# Altium PCB PowerAMP.PcbDoc (part 1 of 4) (continued)
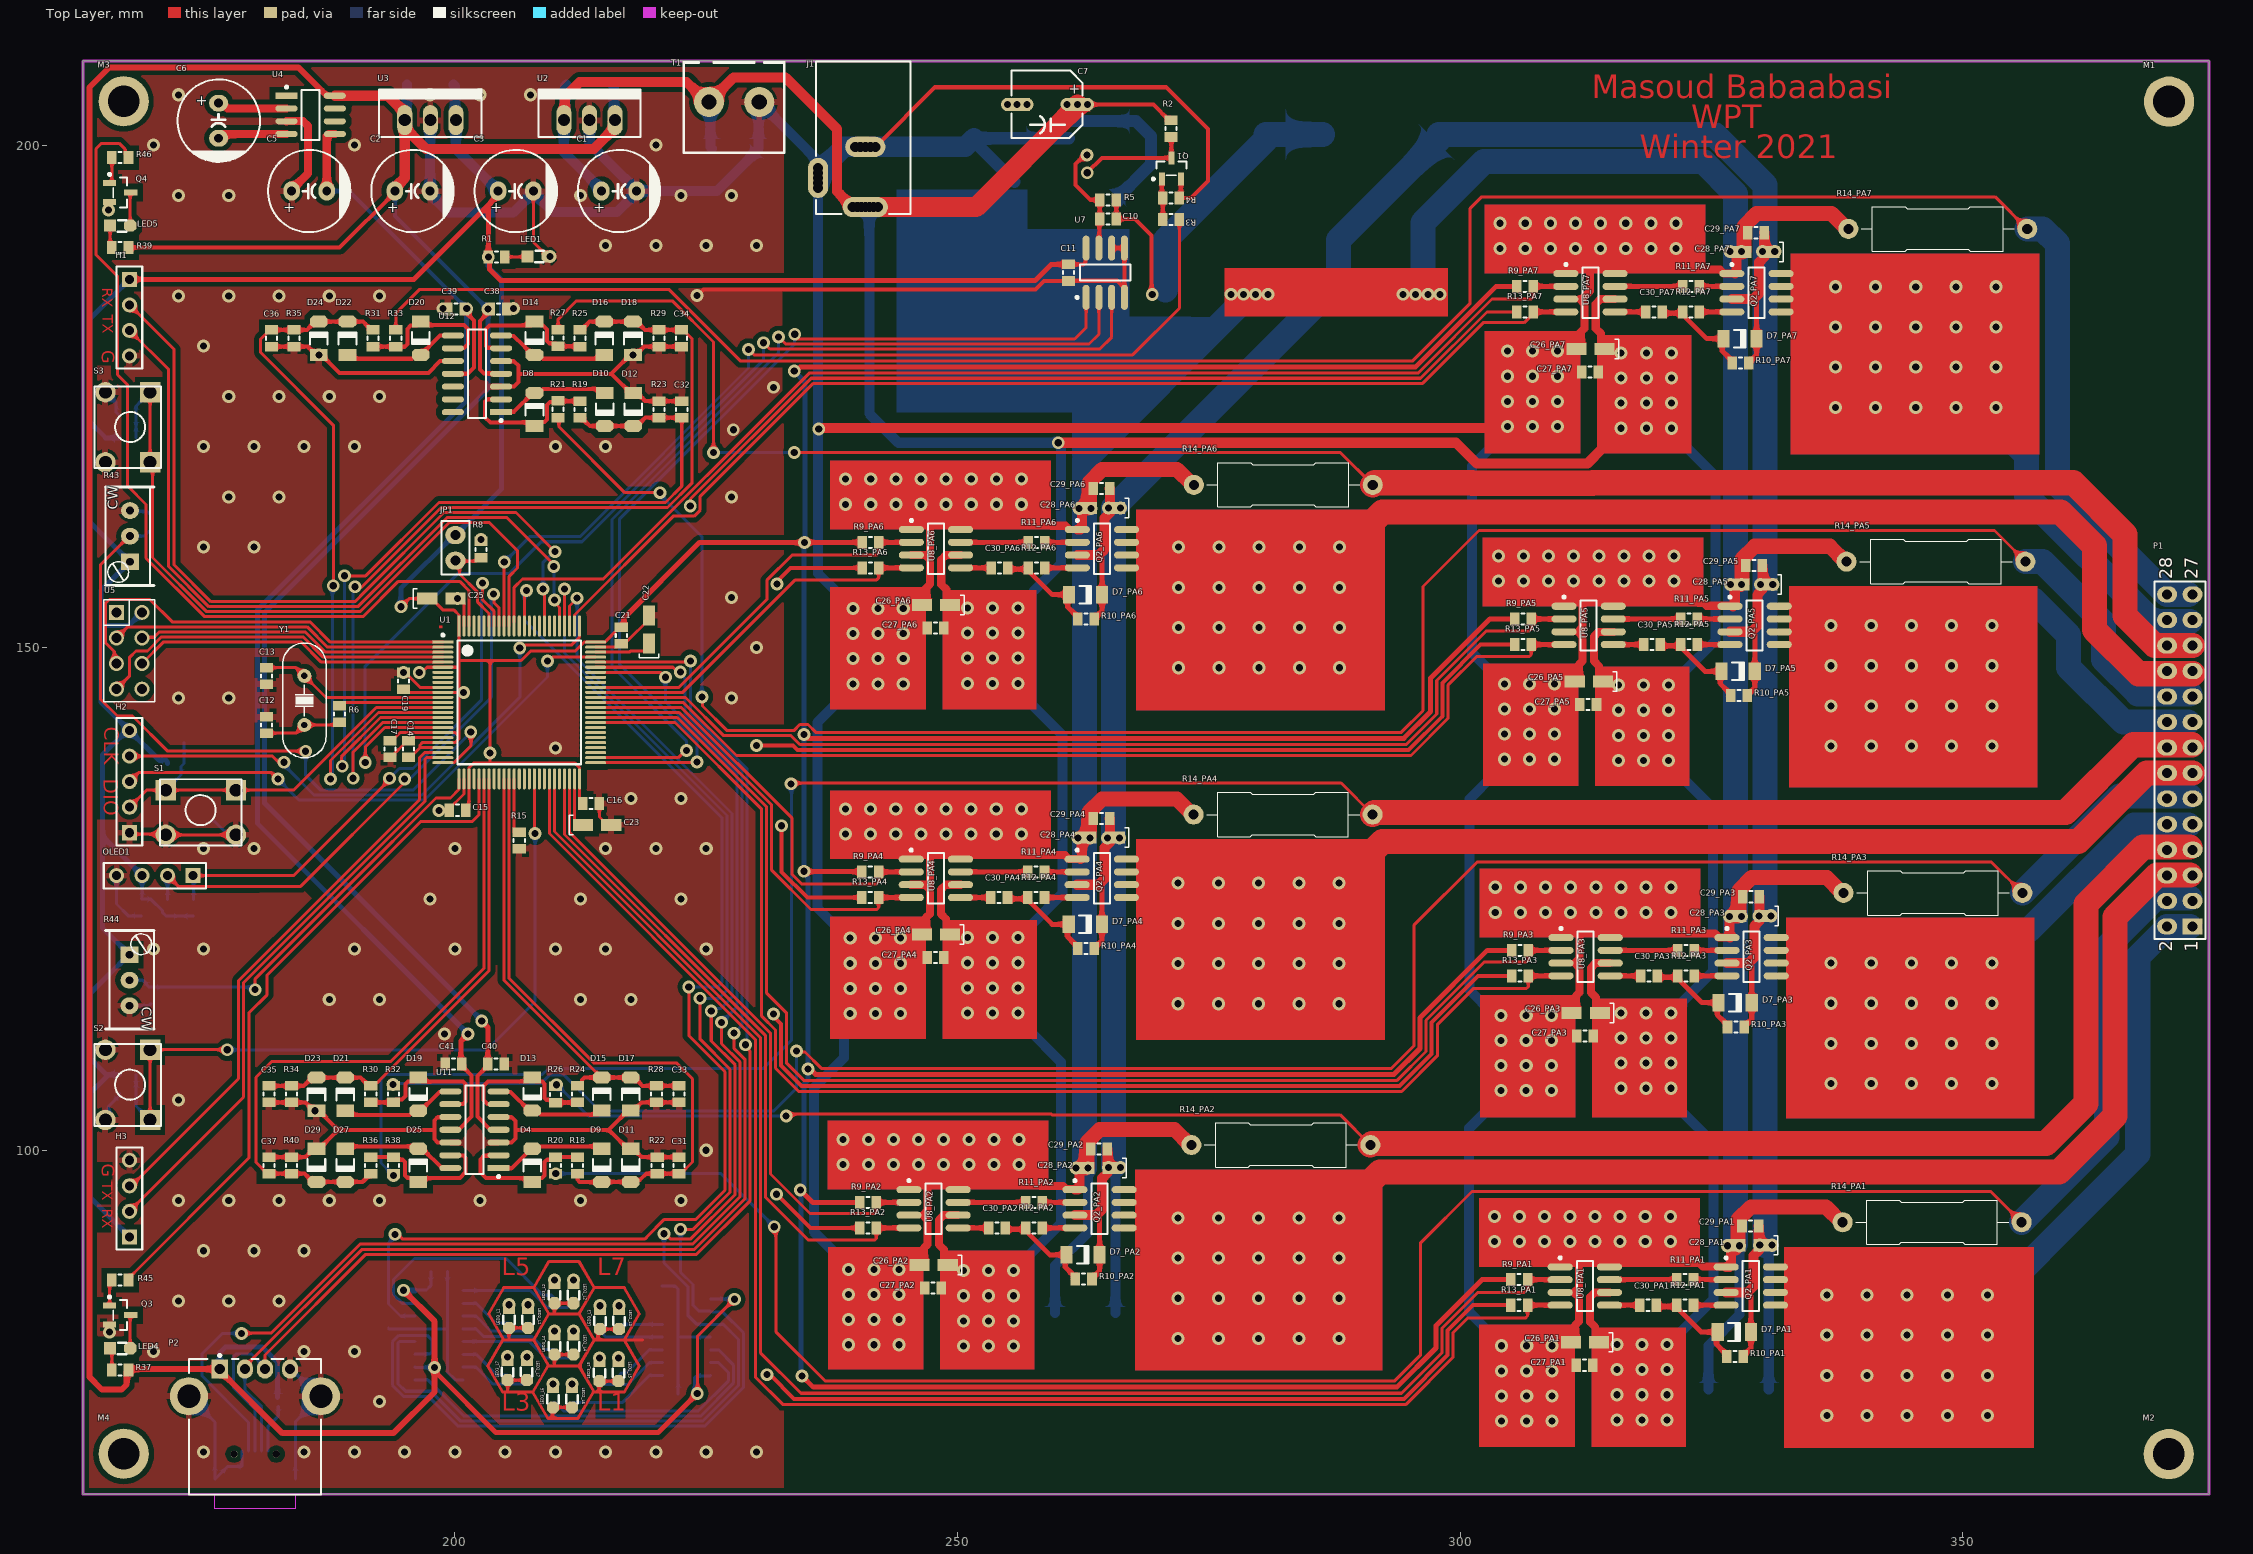
[diagram p0: Top Layer view]
## Components (designator, comment, footprint, x,y, rotation, side; value= is the part's Value field where it differs from the comment)
C1 "100uF" "Cap - 3.5mm - 2" 214.575,195.425 r180 top
C2 "100uF" "Cap - 3.5mm - 2" 194.025,195.425 r180 top
C3 "1000uF" "Cap - 3.5mm - 2" 204.3,195.425 r180 top
C4 "Cap" SMD_CAP_0805 197.6,87.95 r0 bottom value=100nF
C5 "100uF" "Cap - 3.5mm - 2" 183.75,195.425 r180 top
C6 "100uF" "Cap - 3.5mm - 2" 176.5,204.175 r90 top
C7 "" "Cap SMD electrolite-6.3mm" 258.85,204 r0 top value=100uF
C8 "" "Cap SMD electrolite-10.3mm" 274.875,185.125 r180 bottom value=1000uF
C9 "" "Cap SMD electrolite-10.3mm" 292.1,185.125 r180 bottom value=1000uF
C10 "Cap" SMD_CAP_0805 265.8,192.65 r180 top value=10nF
C11 "Cap" SMD_CAP_0805 261.025,186.475 r90 top value=100nF
C12 "Cap" SMD_CAP_0805 181.275,143.135 r270 top value=22pF
C13 "Cap" SMD_CAP_0805 181.275,146.365 r90 top value=22pF
C14 "100nF" SMD_CAP_0805 195.375,140.725 r270 top
C15 "100nF" SMD_CAP_0805 199.425,133.825 r0 top
C16 "100nF" SMD_CAP_0805 214.375,134.5 r180 top
C17 "Cap" SMD_CAP_0805 193.55,140.725 r270 top value="4.7 uF"
C18 "Cap" SMD_CAP_0805 171.4,140.55 r0 bottom value=100nF
C19 "100nF" SMD_CAP_0805 194.875,147.525 r270 top
C20 "100nF" SMD_CAP_0805 198.075,147.525 r180 bottom
C21 "100nF" SMD_CAP_0805 216.55,150.375 r90 top
C22 "tantal size a" "CAPP 1206 (3216X18L) Size A" 219.3,150.4 r90 top value=2.2u
C23 "tantal size a" "CAPP 1206 (3216X18L) Size A" 212.75,132.375 r0 top value=2.2u
C24 "100nF" SMD_CAP_0805 201.025,147.55 r270 bottom
C25 "Cap" "CAPP 1206 (3216X18L) Size A" 197.25,154.9 r0 top value="1 uF"
C26_PA1 "tantal size a" "CAPP 1206 (3216X18L) Size A" 313.818,80.899 r180 top value=10u (schematic designator C26)
C26_PA2 "tantal size a" "CAPP 1206 (3216X18L) Size A" 249.028,88.584 r180 top value=10u (schematic designator C26)
C26_PA3 "tantal size a" "CAPP 1206 (3216X18L) Size A" 313.899,113.662 r180 top value=10u (schematic designator C26)
C26_PA4 "tantal size a" "CAPP 1206 (3216X18L) Size A" 249.256,121.461 r180 top value=10u (schematic designator C26)
C26_PA5 "tantal size a" "CAPP 1206 (3216X18L) Size A" 314.2,146.626 r180 top value=10u (schematic designator C26)
C26_PA6 "tantal size a" "CAPP 1206 (3216X18L) Size A" 249.27,154.258 r180 top value=10u (schematic designator C26)
C26_PA7 "tantal size a" "CAPP 1206 (3216X18L) Size A" 314.381,179.717 r180 top value=10u (schematic designator C26)
C27_PA1 "Cap" SMD_CAP_0805 313.183,78.613 r180 top value=100nF (schematic designator C27)
C27_PA2 "Cap" SMD_CAP_0805 248.393,86.298 r180 top value=100nF (schematic designator C27)
C27_PA3 "Cap" SMD_CAP_0805 313.264,111.376 r180 top value=100nF (schematic designator C27)
C27_PA4 "Cap" SMD_CAP_0805 248.621,119.175 r180 top value=100nF (schematic designator C27)
C27_PA5 "Cap" SMD_CAP_0805 313.565,144.34 r180 top value=100nF (schematic designator C27)
C27_PA6 "Cap" SMD_CAP_0805 248.635,151.972 r180 top value=100nF (schematic designator C27)
C27_PA7 "Cap" SMD_CAP_0805 313.746,177.431 r180 top value=100nF (schematic designator C27)
C28_PA1 "tantal size a" "CAPP 1206 (3216X18L) Size A" 330.207,90.551 r180 top value=100u (schematic designator C28)
C28_PA2 "tantal size a" "CAPP 1206 (3216X18L) Size A" 265.417,98.236 r180 top value=100u (schematic designator C28)
C28_PA3 "tantal size a" "CAPP 1206 (3216X18L) Size A" 330.288,123.314 r180 top value=100u (schematic designator C28)
C28_PA4 "tantal size a" "CAPP 1206 (3216X18L) Size A" 265.645,131.113 r180 top value=100u (schematic designator C28)
C28_PA5 "tantal size a" "CAPP 1206 (3216X18L) Size A" 330.589,156.278 r180 top value=100u (schematic designator C28)
C28_PA6 "tantal size a" "CAPP 1206 (3216X18L) Size A" 265.659,163.91 r180 top value=100u (schematic designator C28)
C28_PA7 "tantal size a" "CAPP 1206 (3216X18L) Size A" 330.77,189.369 r180 top value=100u (schematic designator C28)
C29_PA1 "Cap" SMD_CAP_0805 329.692,92.456 r180 top value=100nF (schematic designator C29)
C29_PA2 "Cap" SMD_CAP_0805 264.902,100.141 r180 top value=100nF (schematic designator C29)
C29_PA3 "Cap" SMD_CAP_0805 329.773,125.219 r180 top value=100nF (schematic designator C29)
C29_PA4 "Cap" SMD_CAP_0805 265.13,133.018 r180 top value=100nF (schematic designator C29)
C29_PA5 "Cap" SMD_CAP_0805 330.074,158.183 r180 top value=100nF (schematic designator C29)
C29_PA6 "Cap" SMD_CAP_0805 265.144,165.815 r180 top value=100nF (schematic designator C29)
C29_PA7 "Cap" SMD_CAP_0805 330.255,191.274 r180 top value=100nF (schematic designator C29)
C30_PA1 "Cap" SMD_CAP_0805 317.883,84.582 r0 top value=10nF (schematic designator C30)
C30_PA2 "Cap" SMD_CAP_0805 253.093,92.267 r0 top value=10nF (schematic designator C30)
C30_PA3 "Cap" SMD_CAP_0805 317.964,117.345 r0 top value=10nF (schematic designator C30)
C30_PA4 "Cap" SMD_CAP_0805 253.321,125.144 r0 top value=10nF (schematic designator C30)
C30_PA5 "Cap" SMD_CAP_0805 318.265,150.309 r0 top value=10nF (schematic designator C30)
C30_PA6 "Cap" SMD_CAP_0805 253.335,157.941 r0 top value=10nF (schematic designator C30)
C30_PA7 "Cap" SMD_CAP_0805 318.446,183.4 r0 top value=10nF (schematic designator C30)
C31 "Cap" SMD_CAP_0805 222.3,99.323 r270 top value=100nF
C32 "Cap" SMD_CAP_0805 222.566,174.525 r270 top value=100nF
C33 "Cap" SMD_CAP_0805 222.3,104.763 r90 top value=100nF
C34 "Cap" SMD_CAP_0805 222.541,179.955 r90 top value=100nF
C35 "Cap" SMD_CAP_0805 181.5,104.753 r90 top value=100nF
C36 "Cap" SMD_CAP_0805 181.741,179.955 r90 top value=100nF
C37 "Cap" SMD_CAP_0805 181.5,99.323 r270 top value=100nF
C38 "Cap" SMD_CAP_0805 205.166,183.69 r180 top value=100nF
C39 "Cap" SMD_CAP_0805 199.266,183.69 r0 top value=100nF
C40 "Cap" SMD_CAP_0805 204.925,108.588 r180 top value=100nF
C41 "Cap" SMD_CAP_0805 199.025,108.588 r0 top value=100nF
C42 "Cap" SMD_CAP_0805 223.85,75.775 r180 bottom value=100nF
C43 "Cap" SMD_CAP_0805 166.625,105.625 r0 bottom value=100nF
C44 "Cap" SMD_CAP_0805 166.625,173.075 r0 bottom value=100nF
C45 "Cap" SMD_CAP_0805 169.75,163.225 r270 bottom value=100nF
C46 "Cap" SMD_CAP_0805 169.75,114.575 r90 bottom value=100nF
C47 "Cap" SMD_CAP_0805 168.8,123.325 r90 bottom value=100nF
C48 "" "Cap SMD electrolite-6.3mm" 327.6,76.25 r0 bottom value=100uF
C49 "" "Cap SMD electrolite-6.3mm" 262.6,83.825 r0 bottom value=100uF
C50 "Cap" SMD_CAP_0805 203.725,139.55 r0 bottom value="4.7 uF"
D1 "Diode 1N4007" "SMA DIODE 2" 213.385,206 r180 bottom
D2 "Diode 1N4007" "SMA DIODE 2" 197.55,206 r180 bottom
D3 "Diode 1N4007" "SMA DIODE 2" 227.85,199.65 r180 bottom
D4 "1N4148" LL4148#1 207.675,98.498 r90 top
D6 "1n5822" "DO214AC SMA" 265.925,192.35 r270 bottom
D7_PA1 "1N4148" LL4148#2 327.28,81.915 r0 top (schematic designator D7)
D7_PA2 "1N4148" LL4148#2 262.49,89.6 r0 top (schematic designator D7)
D7_PA3 "1N4148" LL4148#2 327.361,114.678 r0 top (schematic designator D7)
D7_PA4 "1N4148" LL4148#2 262.718,122.477 r0 top (schematic designator D7)
D7_PA5 "1N4148" LL4148#2 327.662,147.642 r0 top (schematic designator D7)
D7_PA6 "1N4148" LL4148#2 262.732,155.274 r0 top (schematic designator D7)
D7_PA7 "1N4148" LL4148#2 327.843,180.733 r0 top (schematic designator D7)
D8 "1N4148" LL4148#1 207.916,173.7 r90 top
D9 "1N4148" LL4148#1 214.625,98.498 r270 top
D10 "1N4148" LL4148#1 214.891,173.7 r270 top
D11 "1N4148" LL4148#1 217.475,98.498 r270 top
D12 "1N4148" LL4148#1 217.741,173.7 r270 top
D13 "1N4148" LL4148#1 207.675,105.588 r270 top
D14 "1N4148" LL4148#1 207.916,180.78 r270 top
D15 "1N4148" LL4148#1 214.625,105.588 r90 top
D16 "1N4148" LL4148#1 214.866,180.78 r90 top
D17 "1N4148" LL4148#1 217.475,105.588 r90 top
D18 "1N4148" LL4148#1 217.716,180.78 r90 top
D19 "1N4148" LL4148#1 196.35,105.578 r270 top
D20 "1N4148" LL4148#1 196.591,180.78 r270 top
D21 "1N4148" LL4148#1 189.075,105.578 r90 top
D22 "1N4148" LL4148#1 189.316,180.78 r90 top
D23 "1N4148" LL4148#1 186.225,105.578 r90 top
D24 "1N4148" LL4148#1 186.466,180.78 r90 top
D25 "1N4148" LL4148#1 196.35,98.498 r90 top
D27 "1N4148" LL4148#1 189.075,98.498 r270 top
D29 "1N4148" LL4148#1 186.225,98.498 r270 top
H1 "USB to TTL" HDR1X4 167.625,186.64 r270 top
H2 "Header 5" HDR1X5 167.625,131.585 r90 top
H3 "USB to TTL" HDR1X4 167.625,91.385 r90 top
J1 "Power Jack" "Power Jack" 240.825,208.325 r270 top
JP1 "Jumper" "Jumper Small - 2.54 - GRAY" 200.05,159.925 r270 top
L1 "Inductor" inductor 274.875,201.05 r270 bottom value=100uH
L2 "Inductor" inductor 292.1,201.05 r270 bottom value=100uH
LED1 "LED RED" led_0805 208.225,188.925 r0 top
LED2_L1 "LED Red" led_0805 207.275,83.329 r270 top (schematic designator LED2)
LED2_L2 "LED Red" led_0805 211.8,85.779 r270 top (schematic designator LED2)
LED2_L3 "LED Red" led_0805 216.325,83.204 r270 top (schematic designator LED2)
LED2_L4 "LED Red" led_0805 211.8,80.679 r270 top (schematic designator LED2)
LED2_L5 "LED Red" led_0805 216.275,78.029 r270 top (schematic designator LED2)
LED2_L6 "LED Red" led_0805 211.65,75.429 r270 top (schematic designator LED2)
LED2_L7 "LED Red" led_0805 207.15,78.129 r270 top (schematic designator LED2)
LED3_L1 "LED Red" led_0805 205.375,83.329 r270 top (schematic designator LED3)
LED3_L2 "LED Red" led_0805 209.9,85.779 r270 top (schematic designator LED3)
LED3_L3 "LED Red" led_0805 214.425,83.204 r270 top (schematic designator LED3)
LED3_L4 "LED Red" led_0805 209.9,80.679 r270 top (schematic designator LED3)
LED3_L5 "LED Red" led_0805 214.375,78.029 r270 top (schematic designator LED3)
LED3_L6 "LED Red" led_0805 209.75,75.429 r270 top (schematic designator LED3)
LED3_L7 "LED Red" led_0805 205.25,78.129 r270 top (schematic designator LED3)
LED4 "LED RED" led_0805 166.7,80.3 r0 top
LED5 "LED RED" led_0805 166.7,191.975 r0 top
M1 "Screw" Screw 370.525,204.325 r0 top
M2 "Screw" Screw 370.5,69.775 r0 top
M3 "Screw" Screw 167.05,204.35 r0 top
M4 "Screw" Screw 167.05,69.8 r0 top
OLED1 "I2C display" HDR1X4 173.955,127.325 r180 top
P1 "Header 14X2" HDR2X14 372.872,122.271 r90 top locked
P2 "USB Connector" USB2.5-2H4C 180.105,72.745 r270 top
p3 "USB Connector" USB_AB_BM_SHS 180.125,68.675 r0 bottom
Q1 "C945" SOT23_N 271.275,197.675 r90 top
Q2_PA1 "IRF7307" SO8_M 328.915,86.487 r0 top (schematic designator Q2)
Q2_PA2 "IRF7307" SO8_M 264.125,94.172 r0 top (schematic designator Q2)
Q2_PA3 "IRF7307" SO8_M 328.996,119.25 r0 top (schematic designator Q2)
Q2_PA4 "IRF7307" SO8_M 264.353,127.049 r0 top (schematic designator Q2)
Q2_PA5 "IRF7307" SO8_M 329.297,152.214 r0 top (schematic designator Q2)
Q2_PA6 "IRF7307" SO8_M 264.367,159.846 r0 top (schematic designator Q2)
Q2_PA7 "IRF7307" SO8_M 329.478,185.305 r0 top (schematic designator Q2)
Q3 "C945" SOT23_N 166.7,83.6 r0 top
Q4 "C945" SOT23_N 166.7,195.275 r0 top
R1 "1K" "RES 0805 (2012X06L)" 204.975,188.875 r180 top
R2 "Res1" "RES 0805 (2012X06L)" 271.225,200.8 r90 top value=10k
R3 "Res1" "RES 0805 (2012X06L)" 272.075,192.575 r180 top value=10K
R4 "Res1" "RES 0805 (2012X06L)" 272.075,194.75 r180 top value=47k
R5 "10K" "RES 0805 (2012X06L)" 264.15,194.55 r0 top
R6 "Res1" "RES 0805 (2012X06L)" 188.525,144.225 r270 top value=220
R7 "Res1" "RES 0805 (2012X06L)" 171.425,138.5 r0 bottom value=10K
R8 "Res1" "RES 0805 (2012X06L)" 202.6,160.575 r270 top value=1K
R9_PA1 "Res1" "RES 0805 (2012X06L)" 305.055,87.122 r0 top value=68k (schematic designator R9)
R9_PA2 "Res1" "RES 0805 (2012X06L)" 240.265,94.807 r0 top value=68k (schematic designator R9)
R9_PA3 "Res1" "RES 0805 (2012X06L)" 305.136,119.885 r0 top value=68k (schematic designator R9)
R9_PA4 "Res1" "RES 0805 (2012X06L)" 240.493,127.684 r0 top value=68k (schematic designator R9)
R9_PA5 "Res1" "RES 0805 (2012X06L)" 305.437,152.849 r0 top value=68k (schematic designator R9)
R9_PA6 "Res1" "RES 0805 (2012X06L)" 240.507,160.481 r0 top value=68k (schematic designator R9)
R9_PA7 "Res1" "RES 0805 (2012X06L)" 305.618,185.94 r0 top value=68k (schematic designator R9)
R10_PA1 "Res1" "RES 0805 (2012X06L)" 328.168,79.502 r180 top value=100K (schematic designator R10)
R10_PA2 "Res1" "RES 0805 (2012X06L)" 263.378,87.187 r180 top value=100K (schematic designator R10)
R10_PA3 "Res1" "RES 0805 (2012X06L)" 328.249,112.265 r180 top value=100K (schematic designator R10)
R10_PA4 "Res1" "RES 0805 (2012X06L)" 263.606,120.064 r180 top value=100K (schematic designator R10)
R10_PA5 "Res1" "RES 0805 (2012X06L)" 328.55,145.229 r180 top value=100K (schematic designator R10)
R10_PA6 "Res1" "RES 0805 (2012X06L)" 263.62,152.861 r180 top value=100K (schematic designator R10)
R10_PA7 "Res1" "RES 0805 (2012X06L)" 328.731,178.32 r180 top value=100K (schematic designator R10)
R11_PA1 "Res1" "RES 0805 (2012X06L)" 323.215,87.122 r180 top value=3.3 (schematic designator R11)
R11_PA2 "Res1" "RES 0805 (2012X06L)" 258.425,94.807 r180 top value=3.3 (schematic designator R11)
R11_PA3 "Res1" "RES 0805 (2012X06L)" 323.296,119.885 r180 top value=3.3 (schematic designator R11)
R11_PA4 "Res1" "RES 0805 (2012X06L)" 258.653,127.684 r180 top value=3.3 (schematic designator R11)
R11_PA5 "Res1" "RES 0805 (2012X06L)" 323.597,152.849 r180 top value=3.3 (schematic designator R11)
R11_PA6 "Res1" "RES 0805 (2012X06L)" 258.667,160.481 r180 top value=3.3 (schematic designator R11)
R11_PA7 "Res1" "RES 0805 (2012X06L)" 323.778,185.94 r180 top value=3.3 (schematic designator R11)
R12_PA1 "Res1" "RES 0805 (2012X06L)" 323.215,84.582 r180 top value=3.3 (schematic designator R12)
R12_PA2 "Res1" "RES 0805 (2012X06L)" 258.425,92.267 r180 top value=3.3 (schematic designator R12)
R12_PA3 "Res1" "RES 0805 (2012X06L)" 323.296,117.345 r180 top value=3.3 (schematic designator R12)
R12_PA4 "Res1" "RES 0805 (2012X06L)" 258.653,125.144 r180 top value=3.3 (schematic designator R12)
R12_PA5 "Res1" "RES 0805 (2012X06L)" 323.597,150.309 r180 top value=3.3 (schematic designator R12)
R12_PA6 "Res1" "RES 0805 (2012X06L)" 258.667,157.941 r180 top value=3.3 (schematic designator R12)
R12_PA7 "Res1" "RES 0805 (2012X06L)" 323.778,183.4 r180 top value=3.3 (schematic designator R12)
R13_PA1 "Res1" "RES 0805 (2012X06L)" 306.705,84.582 r180 top value=68k (schematic designator R13)
R13_PA2 "Res1" "RES 0805 (2012X06L)" 241.915,92.267 r180 top value=68k (schematic designator R13)
R13_PA3 "Res1" "RES 0805 (2012X06L)" 306.786,117.345 r180 top value=68k (schematic designator R13)
R13_PA4 "Res1" "RES 0805 (2012X06L)" 242.143,125.144 r180 top value=68k (schematic designator R13)
R13_PA5 "Res1" "RES 0805 (2012X06L)" 307.087,150.309 r180 top value=68k (schematic designator R13)
R13_PA6 "Res1" "RES 0805 (2012X06L)" 242.157,157.941 r180 top value=68k (schematic designator R13)
R13_PA7 "Res1" "RES 0805 (2012X06L)" 307.268,183.4 r180 top value=68k (schematic designator R13)
R14_PA1 "1W" "Axial 1W  7_0mm" 346.955,92.837 r180 top value=0.1R (schematic designator R14)
R14_PA2 "1W" "Axial 1W  7_0mm" 282.165,100.522 r180 top value=0.1R (schematic designator R14)
R14_PA3 "1W" "Axial 1W  7_0mm" 347.036,125.6 r180 top value=0.1R (schematic designator R14)
R14_PA4 "1W" "Axial 1W  7_0mm" 282.393,133.399 r180 top value=0.1R (schematic designator R14)
R14_PA5 "1W" "Axial 1W  7_0mm" 347.337,158.564 r180 top value=0.1R (schematic designator R14)
R14_PA6 "1W" "Axial 1W  7_0mm" 282.407,166.196 r180 top value=0.1R (schematic designator R14)
R14_PA7 "1W" "Axial 1W  7_0mm" 347.518,191.655 r180 top value=0.1R (schematic designator R14)
R15 "Res1" "RES 0805 (2012X06L)" 206.4,129.975 r90 top value=1K
R16_L1 "220" "RES 0805 (2012X06L)" 207.275,84.479 r270 bottom (schematic designator R16)
R16_L2 "220" "RES 0805 (2012X06L)" 211.8,86.929 r270 bottom (schematic designator R16)
R16_L3 "220" "RES 0805 (2012X06L)" 216.325,84.354 r270 bottom (schematic designator R16)
R16_L4 "220" "RES 0805 (2012X06L)" 211.8,81.829 r270 bottom (schematic designator R16)
R16_L5 "220" "RES 0805 (2012X06L)" 216.275,79.179 r270 bottom (schematic designator R16)
R16_L6 "220" "RES 0805 (2012X06L)" 211.65,76.579 r270 bottom (schematic designator R16)
R16_L7 "220" "RES 0805 (2012X06L)" 207.15,79.279 r270 bottom (schematic designator R16)
R17_L1 "1K" "RES 0805 (2012X06L)" 205.375,84.479 r270 bottom (schematic designator R17)
R17_L2 "1K" "RES 0805 (2012X06L)" 209.9,86.929 r270 bottom (schematic designator R17)
R17_L3 "1K" "RES 0805 (2012X06L)" 214.425,84.354 r270 bottom (schematic designator R17)
R17_L4 "1K" "RES 0805 (2012X06L)" 209.9,81.829 r270 bottom (schematic designator R17)
R17_L5 "1K" "RES 0805 (2012X06L)" 214.375,79.179 r270 bottom (schematic designator R17)
R17_L6 "1K" "RES 0805 (2012X06L)" 209.75,76.579 r270 bottom (schematic designator R17)
R17_L7 "1K" "RES 0805 (2012X06L)" 205.25,79.279 r270 bottom (schematic designator R17)
R18 "Res1" "RES 0805 (2012X06L)" 212.2,99.323 r270 top value=68k
R19 "Res1" "RES 0805 (2012X06L)" 212.441,174.525 r270 top value=68k
R20 "Res1" "RES 0805 (2012X06L)" 210.025,97.673 r90 top value=6.8k
R21 "Res1" "RES 0805 (2012X06L)" 210.266,172.89 r90 top value=6.8k
R22 "Res1" "RES 0805 (2012X06L)" 220.125,99.323 r270 top value=68k
R23 "Res1" "RES 0805 (2012X06L)" 220.316,174.525 r270 top value=68k
R24 "Res1" "RES 0805 (2012X06L)" 212.2,104.763 r90 top value=68k
R25 "Res1" "RES 0805 (2012X06L)" 212.441,179.955 r90 top value=68k
R26 "Res1" "RES 0805 (2012X06L)" 210.025,106.388 r270 top value=6.8k
R27 "Res1" "RES 0805 (2012X06L)" 210.266,181.64 r270 top value=6.8k
R28 "Res1" "RES 0805 (2012X06L)" 220.05,104.763 r90 top value=68k
R29 "Res1" "RES 0805 (2012X06L)" 220.291,179.955 r90 top value=68k
R30 "Res1" "RES 0805 (2012X06L)" 191.625,104.753 r90 top value=68k
R31 "Res1" "RES 0805 (2012X06L)" 191.866,179.955 r90 top value=68k
R32 "Res1" "RES 0805 (2012X06L)" 193.875,106.403 r270 top value=6.8k
R33 "Res1" "RES 0805 (2012X06L)" 194.116,181.605 r270 top value=6.8k
R34 "Res1" "RES 0805 (2012X06L)" 183.75,104.753 r90 top value=68k
R35 "Res1" "RES 0805 (2012X06L)" 183.991,179.955 r90 top value=68k
R36 "Res1" "RES 0805 (2012X06L)" 191.625,99.323 r270 top value=68k
R37 "1K" "RES 0805 (2012X06L)" 165.875,78.125 r0 top
R38 "Res1" "RES 0805 (2012X06L)" 193.875,97.673 r90 top value=6.8k
R39 "1K" "RES 0805 (2012X06L)" 165.875,189.8 r0 top
R40 "Res1" "RES 0805 (2012X06L)" 183.75,99.323 r270 top value=68k
R41 "Res1" "RES 0805 (2012X06L)" 166.625,107.525 r0 bottom value=10K
R42 "Res1" "RES 0805 (2012X06L)" 166.625,170.875 r0 bottom value=10K
R43 "RPot" "Multi Turn 02" 167.675,158.56 r180 top value=10K
R44 "RPot" "Multi Turn 02" 167.625,119.455 r0 top value=10K
R45 "Res1" "RES 0805 (2012X06L)" 167.525,87.075 r180 top value=10K
R46 "Res1" "RES 0805 (2012X06L)" 167.525,198.75 r180 top value=10K
R47 "Res1" "RES 0805 (2012X06L)" 174,124.95 r270 bottom value=10K
R48 "Res1" "RES 0805 (2012X06L)" 171.425,124.95 r270 bottom value=10K
S1 "Switch PB" "Switch - Push to On" 174.725,133.6 r0 top
S2 "Switch PB" "Switch - Push to On" 167.45,106.5 r270 top
S3 "Switch PB" "Switch - Push to On" 167.45,171.925 r270 top
T1 "Terminal" "Terminal 1*2_1" 232.768,208.212 r180 top
U1 "STM32F429VIT6" STM-LQFP100_M 206.4,144.55 r0 top
U2 "7805" REG-7805-WALL 213.385,202.475 r0 top
U3 "Voltage Regulator" REG-7805-WALL 197.55,202.475 r0 top
U4 "LMC7660IM" M08A_N 185.65,203 r0 top
U5 "NRF24L0" "RF24-MICRO STRIP" 166.326,153.5 r0 top
U6 "lm2576-adj" 2596 254.675,200.675 r180 bottom
U7 "MCP41xxx" SO8_M 264.7,187.3 r90 top
U8_PA1 "7667" SO8_M 312.405,86.487 r0 top (schematic designator U8)
U8_PA2 "7667" SO8_M 247.615,94.172 r0 top (schematic designator U8)
U8_PA3 "7667" SO8_M 312.486,119.25 r0 top (schematic designator U8)
U8_PA4 "7667" SO8_M 247.843,127.049 r0 top (schematic designator U8)
U8_PA5 "7667" SO8_M 312.787,152.214 r0 top (schematic designator U8)
U8_PA6 "7667" SO8_M 247.857,159.846 r0 top (schematic designator U8)
U8_PA7 "7667" SO8_M 312.968,185.305 r0 top (schematic designator U8)
U9 "MC74VHC595D" 751B-05_N 198.425,81.6 r180 bottom
U10 "MC74VHC595D" 751B-05_N 223.025,82.045 r0 bottom
U11 "LM324AD" SO14_N 201.95,102.038 r180 top
U12 "LM324AD" SO14_N 202.191,177.24 r180 top
W1 "Jumper" "Jumper SMD" 182.425,74.975 r90 bottom
Y1 "8Mhz" "CRYSTAL Small" 185.025,144.75 r270 top

## Footprints (in the part's own frame and the unit in brackets; to place one, negate y for a bottom-side part, rotate by r counter-clockwise, add the part's x,y. Pads: shape width x height; smd on the part's side, far side on the other; paste and mask are expansions set on the pad)
751B-05_N [mm] "SOIC, 16-Leads, Body 9.9x3.9mm, Pitch 1.27mm, IPC Medium Density"
  rect 2.2x0.55 smd: 1(-2.4,4.445)
  oval 2.2x0.55 smd: 2(-2.4,3.175) 3(-2.4,1.905) 4(-2.4,0.635) 5(-2.4,-0.635) 6(-2.4,-1.905) 7(-2.4,-3.175) 8(-2.4,-4.445) 9(2.4,-4.445) 10(2.4,-3.175) 11(2.4,-1.905) 12(2.4,-0.635) 13(2.4,0.635) 14(2.4,1.905) 15(2.4,3.175) 16(2.4,4.445)
  silkscreen extent -2.53,-5 0.9,5.42, body extent -2,-5 2,5, height 1.75
2596 [mm]
  rect 4x1.2 smd: 1(-6.4,3.4) 2(-6.4,1.7) 3(-6.4,0) 4(-6.4,-1.7) 5(-6.4,-3.4)
  rect 10.5x11.05 smd: 3(3.048,0)
  silkscreen extent -6.13,-3.35 -3.25,4.67, body extent -2.05,-3.35 4.15,3.35, height 2.38
"Axial 1W  7_0mm" [mm] "Designer Abbas Basereh"
  round 2 hole 1: 1(8.9,0) 2(-8.9,0)
  silkscreen extent -7.6,-2.2 7.6,2.2, body extent -9.26,-2.25 9.27,2.25, height 5.22
"Cap - 3.5mm - 2" [mil]
  oval 65x75 hole 35: 1(0,0) 2(-137.8,0)
  silkscreen extent -230,-161 92,161, body extent -228,-159 89,158, height 473
"Cap SMD electrolite-6.3mm" [mm]
  rect 2.5x1.3 smd: 1(3.102,0.025) 2(-2.898,0.025)
  silkscreen extent -3.48,-3.3 3.61,3.43, body extent -3.5,-3.22 3.5,3.38, height 7.7
"Cap SMD electrolite-10.3mm" [mm]
  rect 4.8x1.8 smd: 1(4.2,0) 2(-4.2,0)
  silkscreen extent -5.5,-5.5 5.5,5.5, body extent -5.83,-5.1 5.77,5.2, height 10.5
"CAPP 1206 (3216X18L) Size A" [mm] "Chip Capacitor, 2-Leads, Body 3.2x1.6mm, IPC High Density, chip Tantalum"
  rect 1.999x1.199 smd: 1(0,0) 2(2.8,0)
  silkscreen extent -1.38,-0.97 -0.99,0.97, body extent -0.43,-0.9 3.21,0.9, height 1.8
"CRYSTAL Small" [mil] "DESIGNER ABBAS BASEREH"
  round 55 hole 25: 1(-96.06,0) 2(96.06,0)
  silkscreen extent -225,-85 225,85, body extent -226,-89 226,89, height 142
"DO214AC SMA" [mm] "Molded Diode, 2-Leads, Body 4.30x2.60mm, IPC Medium Density"
  rect 2.5x1.7 smd: 1(2,0) 2(-2,0)
  silkscreen extent -3.75,-1.65 3.68,1.65, body extent -2.6,-1.37 2.6,1.37, height 2.4
HDR1X4 [mm] "Connector; Header; 4 Position"
  rect 1.5x1.5 hole 0.9: 1(0,0)
  round 1.5 hole 0.9: 2(2.54,0) 3(5.08,0) 4(7.62,0)
  silkscreen extent -1.27,-1.27 8.89,1.27
HDR1X5 [mm] "Connector; Header; 5 Position"
  rect 1.5x1.5 hole 0.9: 1(0,0)
  round 1.5 hole 0.9: 2(2.54,0) 3(5.08,0) 4(7.62,0) 5(10.16,0)
  silkscreen extent -1.27,-1.27 11.43,1.27
HDR2X14 [mm] "Connector; Header; 14x2 Position"
  rect 1.6x2 hole 1: 1(0,0)
  oval 1.6x2 hole 1: 2(0,2.54) 3(2.54,0) 4(2.54,2.54) 5(5.08,0) 6(5.08,2.54) 7(7.62,0) 8(7.62,2.54) 9(10.16,0) 10(10.16,2.54) 11(12.7,0) 12(12.7,2.54) 13(15.24,0) 14(15.24,2.54) 15(17.78,0) 16(17.78,2.54) 17(20.32,0) 18(20.32,2.54) 19(22.86,0) 20(22.86,2.54) 21(25.4,0) 22(25.4,2.54) 23(27.94,0) 24(27.94,2.54) 25(30.48,0) 26(30.48,2.54) 27(33.02,0) 28(33.02,2.54)
  silkscreen extent -1.27,-1.27 34.29,3.81
inductor [mm]
  rect 5x4 smd: 1(0,5.8) 2(0,-5.8)
  silkscreen extent -6.1,-6.1 6.1,6.1, body extent -6,-6.17 6,6.17, height 7.5
"Jumper Small - 2.54 - GRAY" [mil]
  oval 70x80 hole 40: 1(-50,0) 2(50,0)
  silkscreen extent -105,-55 105,55, body extent -100,-50 100,50, height 337
"Jumper SMD" [mm]
  rect 0.7x1 smd: 1(-0.45,0) 2(0.45,0)
  silkscreen extent -0.36,-0.53 0.35,0.55
led_0805 [mm]
  rect 1.2x1.2 smd: 1(-1,0)
  oct 1.2x1.2 smd: 2(1,0)
  silkscreen extent -0.23,-0.58 0.61,0.56, body extent -1.01,-0.63 1.01,0.62, height 1.1
LL4148#1 [mm] "MELF Diode, 2-Leads, Body 3.5x1.4mm, IPC Medium Density"
  rect 1.2x1.75 smd: 1(-1.65,0)
  oct 1.2x1.75 smd: 2(1.65,0)
  silkscreen extent -0.61,-0.88 0.57,0.87, body extent -1.78,-0.75 1.72,0.75, height 1.55
LL4148#2 [mm] "MELF Diode, 2-Leads, Body 3.5x1.4mm, IPC Medium Density"
  rect 1.2x1.75 smd: 1(-1.65,0) 2(1.65,0)
  silkscreen extent -0.61,-0.87 0.57,0.88, body extent -1.78,-0.75 1.72,0.75, height 1.55
M08A_N [mm] "SOIC, 8-Leads, Body 4.9x3.9mm, Pitch 1.27mm, IPC Medium Density"
  rect 2.2x0.6 smd: 1(-2.4,1.905)
  oval 2.2x0.6 smd: 2(-2.4,0.635) 3(-2.4,-0.635) 4(-2.4,-1.905) 5(2.4,-1.905) 6(2.4,-0.635) 7(2.4,0.635) 8(2.4,1.905)
  silkscreen extent -2.52,-2.5 0.9,2.88, body extent -2,-2.5 2,2.5, height 1.75
"Multi Turn 02" [mil]
  rect 70x65 hole 30: 1(0,0)
  oval 70x65 hole 30: 2(0,-200) 3(0,-100)
  silkscreen extent -94,-291 96,94, body extent -73,-285 93,89, height 452
"Power Jack" [mm] "Power Adaptor Jack"
  round 1.5 hole 1: 1(14.5,-1.25) 1(14.5,-0.8) 1(14.5,-0.4) 1(14.5,0.4) 1(14.5,0.8) 1(14.5,1.25) 2(8.5,-1) 2(8.5,1) 2(8.5,-0.5) 2(8.5,0.5) 3(10.6,-4.7) 3(11.1,-4.7) 3(12.1,-4.7) 3(12.6,-4.7)
  oval 2x4.5 hole 1: 1(14.5,0)
  oval 2x4 hole 1: 2(8.5,0)
  oval 4x2 hole 1: 3(11.6,-4.7)
  silkscreen extent 0,-4.9 15.2,4.5, body extent 0,-4.9 15.2,4.5, height 11
REG-7805-WALL [mm]
  oval 1.5x3 hole 1.2: 1(-2.54,0) 2(0,0) 3(2.54,0)
  silkscreen extent -5.08,-1.65 5.08,3.05, body extent -5.2,-1.71 5.2,2.79, height 20
"RES 0805 (2012X06L)" [mm] "Chip Resistor, 2-Leads, Body 2.0x1.3mm, IPC High Density _ (0.100 W)"
  rect 0.95x1.3 smd: 1(0,0) 2(1.65,0)
  silkscreen extent 0.67,-0.55 0.97,0.55, body extent -0.19,-0.63 1.84,0.64, height 0.6
"RF24-MICRO STRIP" [mm]
  rect 1.5x1.5 hole 1: 1(0,0)
  round 1.5 hole 1: 2(2.54,0) 3(0,-2.54) 4(2.54,-2.54) 5(0,-5.08) 6(2.54,-5.08) 7(0,-7.62) 8(2.54,-7.62)
  silkscreen extent -1.27,-8.89 3.81,1.27
Screw [mm]
  round 5 hole 3.15 mask+0.1: S(0,0)
"SMA DIODE 2" [mm]
  rect 1.7x2 smd: 1(-2.3,0) 2(2.3,0)
  silkscreen extent -2.4,-1.5 2.25,1.5, body extent -2.1,-1.3 2.1,1.3, height 0.55
SMD_CAP_0805 [mm]
  rect 0.95x1.3 smd: 1(0,0) 2(1.65,0)
  silkscreen extent 0.67,-0.55 0.97,0.55, body extent -0.19,-0.64 1.84,0.63, height 0.65
SO8_M [mm] "SOIC, 8-Leads, Body 4.9x3.9mm, Pitch 1.27mm, IPC Low Density"
  oval 2.5x0.7 smd: 1(-2.45,1.905) 2(-2.45,0.635) 3(-2.45,-0.635) 4(-2.45,-1.905) 5(2.45,-1.905) 6(2.45,-0.635) 7(2.45,0.635) 8(2.45,1.905)
  silkscreen extent -2.57,-2.5 0.8,2.93, body extent -2,-2.5 2,2.5, height 1.75
SO14_N [mm] "SOIC, 14-Leads, Body 8.7x3.9mm, Pitch 1.27mm, IPC Medium Density"
  rect 2.2x0.6 smd: 1(-2.4,3.81)
  oval 2.2x0.6 smd: 2(-2.4,2.54) 3(-2.4,1.27) 4(-2.4,0) 5(-2.4,-1.27) 6(-2.4,-2.54) 7(-2.4,-3.81) 8(2.4,-3.81) 9(2.4,-2.54) 10(2.4,-1.27) 11(2.4,0) 12(2.4,1.27) 13(2.4,2.54) 14(2.4,3.81)
  silkscreen extent -2.53,-4.4 0.9,4.78, body extent -1.95,-4.33 1.95,4.33, height 1.75
SOT23_N [mm] "SOT23, 3-Leads, Body 2.9x1.3mm, Pitch 0.95mm, Lead Span 2.3mm, IPC Medium Density"
  rect 1.3x0.6 smd: 1(-1.05,0.95) 2(-1.05,-0.95) 3(1.05,0)
  silkscreen extent -1.17,-1.5 0.7,1.92, body extent -1.27,-1.5 1.27,1.5, height 1.1
STM-LQFP100_M [mm] "Thin QFP, 100-Leads, Body 14x14mm, Pitch 0.5mm, IPC Low Density"
  rect 2.1x0.3 smd mask+0.05: 1(-7.6,6)
  oval 2.1x0.3 smd mask+0.05: 2(-7.6,5.5) 3(-7.6,5) 4(-7.6,4.5) 5(-7.6,4) 6(-7.6,3.5) 7(-7.6,3) 8(-7.6,2.5) 9(-7.6,2) 10(-7.6,1.5) 11(-7.6,1) 12(-7.6,0.5) 13(-7.6,0) 14(-7.6,-0.5) 15(-7.6,-1) 16(-7.6,-1.5) 17(-7.6,-2) 18(-7.6,-2.5) 19(-7.6,-3) 20(-7.6,-3.5) 21(-7.6,-4) 22(-7.6,-4.5) 23(-7.6,-5) 24(-7.6,-5.5) 25(-7.6,-6) 51(7.6,-6) 52(7.6,-5.5) 53(7.6,-5) 54(7.6,-4.5) 55(7.6,-4) 56(7.6,-3.5) 57(7.6,-3) 58(7.6,-2.5) 59(7.6,-2) 60(7.6,-1.5) 61(7.6,-1) 62(7.6,-0.5) 63(7.6,0) 64(7.6,0.5) 65(7.6,1) 66(7.6,1.5) 67(7.6,2) 68(7.6,2.5) 69(7.6,3) 70(7.6,3.5) 71(7.6,4) 72(7.6,4.5) 73(7.6,5) 74(7.6,5.5) 75(7.6,6)
  oval 0.3x2.1 smd mask+0.05: 26(-6,-7.6) 27(-5.5,-7.6) 28(-5,-7.6) 29(-4.5,-7.6) 30(-4,-7.6) 31(-3.5,-7.6) 32(-3,-7.6) 33(-2.5,-7.6) 34(-2,-7.6) 35(-1.5,-7.6) 36(-1,-7.6) 37(-0.5,-7.6) 38(0,-7.6) 39(0.5,-7.6) 40(1,-7.6) 41(1.5,-7.6) 42(2,-7.6) 43(2.5,-7.6) 44(3,-7.6) 45(3.5,-7.6) 46(4,-7.6) 47(4.5,-7.6) 48(5,-7.6) 49(5.5,-7.6) 50(6,-7.6) 76(6,7.6) 77(5.5,7.6) 78(5,7.6) 79(4.5,7.6) 80(4,7.6) 81(3.5,7.6) 82(3,7.6) 83(2.5,7.6) 84(2,7.6) 85(1.5,7.6) 86(1,7.6) 87(0.5,7.6) 88(0,7.6) 89(-0.5,7.6) 90(-1,7.6) 91(-1.5,7.6) 92(-2,7.6) 93(-2.5,7.6) 94(-3,7.6) 95(-3.5,7.6) 96(-4,7.6) 97(-4.5,7.6) 98(-5,7.6) 99(-5.5,7.6)
  rect 0.3x2.1 smd mask+0.05: 100(-6,7.6)
  silkscreen extent -7.72,-6.15 6.15,6.82, body extent -7,-7 7,7, height 1.6
"Switch - Push to On" [mil]
  rect 80x80 hole 50: 1(-137.5,87.5) 1(137.5,87.5)
  round 80 hole 50: 2(-137.5,-87.5) 2(137.5,-87.5)
  silkscreen extent -160,-130 160,130, body extent -155,-121 157,123, height 205
"Terminal 1*2_1" [mm]
  round 3 hole 1.5: 1(2.493,3.937) 2(7.493,3.937)
  silkscreen extent 0,0 10,9
USB2.5-2H4C [mm] "Connector; USB1.1, Type A, Thru-Hole; 4 Position; Right Angle DESIGNER ABBAS BASEREH"
  rect 1.9x1.6 hole 1: 1(-5.49,-3.5)
  oval 1.9x1.6 hole 1: 2(-5.49,-1) 3(-5.49,1) 4(-5.49,3.5)
  round 3.8 hole 2.3: 4(-2.78,6.57) 4(-2.78,-6.57)
  silkscreen extent -6.96,-6.57 7,6.57, body extent -6.9,-7.9 7.6,7.9, height 7.35
USB_AB_BM_SHS [mm] "USB Micro AB - Standard (Bottom mount), Shell SMT DESIGNER ABBAS BASEREH"
  oval 0.4x4 smd: 1(1.3,-1.4) 2(0.65,-1.4) 3(0,-1.4) 4(-0.65,-1.4) 5(-1.3,-1.4)
  rect 2x1.8 smd: 5(-4,1.4) 5(4,1.4)
  round 0.7 hole 0.7: H(-2.1,-1.1) H(2.1,-1.1)
  Keep-Out Layer board cut-out: -4.064,2.9 -4.064,4.291 4.064,4.291 4.064,2.9
  silkscreen extent -3.8,-1.47 3.8,2.9, body extent -4,-1.78 4,4.26, height 2.75

## Part data
C1 C2 C3 C5 C6: library part Cap-Polar, "Polar Capacitor", Voltage=16V, Adding Date=1387/12/20, Designer="Saeid Jorablo", Organazation=ControTec
C4 C10 C11 C27_PA1 C27_PA2 C27_PA3 C27_PA4 C27_PA5 C27_PA6 C27_PA7 C29_PA1 C29_PA2 C29_PA3 C29_PA4 C29_PA5 C29_PA6 C29_PA7 C30_PA1 C30_PA2 C30_PA3 C30_PA4 C30_PA5 C30_PA6 C30_PA7 C31 C32 C33 C34 C35 C36 C37 C38 C39 C40 C41 C42: library part "Cap ceramic", "CAP-100Nf"
C7 C8 C9 C48 C49: library part "Cap Pol1", "Polarized Capacitor (Radial)", LatestRevisionDate=17-Jul-2002, LatestRevisionNote="Re-released for DXP Platform.", PackageDescription="Polarized Capacitor (Radial); 2 Leads", PackageReference=RB7.6-15, Published=8-Jun-2000, Publisher="Altium Limited"
C12 C13 C18 C43 C44 C45 C46 C47: "Capacitor", LatestRevisionDate=17-Jul-2002, LatestRevisionNote="Re-released for DXP Platform.", PackageDescription="Radial Cap, Thru-Hole; 2 Leads; 0.3 in Pin Spacing", PackageReference=RAD-0.3, Published=8-Jun-2000, Publisher="Altium Limited"
C14 C15 C16 C19 C20 C21 C24: library part Cap, "Capacitor", LatestRevisionDate=17-Jul-2002, LatestRevisionNote="Re-released for DXP Platform.", PackageDescription="Radial Cap, Thru-Hole; 2 Leads; 0.3 in Pin Spacing", PackageReference=RAD-0.3, Published=8-Jun-2000, Publisher="Altium Limited"
C22 C23 C26_PA1 C26_PA2 C26_PA3 C26_PA4 C26_PA5 C26_PA6 C26_PA7 C28_PA1 C28_PA2 C28_PA3 C28_PA4 C28_PA5 C28_PA6 C28_PA7: library part "Cap Pol"
D1 D2 D3: "1 Amp General Purpose Rectifier", Code_JEDEC=DO-204-AL, ComponentLink1Description="Manufacturer Link", ComponentLink1URL=http://www.fairchildsemi.com/, ComponentLink2Description=Datasheet, ComponentLink2URL=http://www.fairchildsemi.com/ds/1N%2F1N4001.pdf, DatasheetVersion=1998, LatestRevisionDate=17-Jul-2002, LatestRevisionNote="Re-released for DXP Platform.", PackageDescription="Diode, Axial; Body 5.2 x 2.7 mm (LxDia. max), Lead Dia. 0.86 mm (max)", PackageReference=DO-41, PackageVersion=Aug-1999, Published=8-Jun-2000, Publisher="Altium Limited"
D4 D7_PA1 D7_PA2 D7_PA3 D7_PA4 D7_PA5 D7_PA6 D7_PA7 D8 D9 D10 D11 D12 D13 D14 D15 D16 D17 D18 D19 D20 D21 D22 D23 D24 D25 D27 D29: library part "Diode 1N4148", "High Conductance Fast Diode", Code_JEDEC=DO-204-AH, ComponentLink1Description="Manufacturer Link", ComponentLink1URL=http://www.fairchildsemi.com/, ComponentLink2Description=Datasheet, ComponentLink2URL=http://www.fairchildsemi.com/ds/1N%2F1N4148.pdf, DatasheetVersion=1997, LatestRevisionDate=17-Jul-2002, LatestRevisionNote="Re-released for DXP Platform.", PackageDescription="Diode, Axial; Body 3.8 x 1.9 mm (LxDia. max), Lead Dia. 0.53 mm (max)", PackageReference=DO-35, Published=8-Jun-2000, Publisher="Altium Limited"
D6: library part "Diode 1N4007", "1 Amp General Purpose Rectifier", Code_JEDEC=DO-204-AL, ComponentLink1Description="Manufacturer Link", ComponentLink1URL=http://www.fairchildsemi.com/, ComponentLink2Description=Datasheet, ComponentLink2URL=http://www.fairchildsemi.com/ds/1N%2F1N4001.pdf, DatasheetVersion=1998, LatestRevisionDate=17-Jul-2002, LatestRevisionNote="Re-released for DXP Platform.", PackageDescription="Diode, Axial; Body 5.2 x 2.7 mm (LxDia. max), Lead Dia. 0.86 mm (max)", PackageReference=DO-41, PackageVersion=Aug-1999, Published=8-Jun-2000, Publisher="Altium Limited"
H1 H3: library part H-1x4
H2: "Header, 5-Pin", LatestRevisionDate=17-Jul-2002, LatestRevisionNote="Re-released for DXP Platform.", Publisher="Altium Limited"
LED1 LED2_L1 LED2_L2 LED2_L3 LED2_L4 LED2_L5 LED2_L6 LED2_L7 LED3_L1 LED3_L2 LED3_L3 LED3_L4 LED3_L5 LED3_L6 LED3_L7 LED4 LED5: library part "LED 5MM", "Light Emitting Diode", Data=16-12-2016, Designer="Abbas Basereh"
M1 M2 M3 M4: library part "Board Screw", "Board Screw With Spacer"
OLED1: library part "Header 4", "Header, 4-Pin", LatestRevisionDate=17-Jul-2002, LatestRevisionNote="Re-released for DXP Platform.", Publisher="Altium Limited"
P1: "Header, 14-Pin, Dual row", LatestRevisionDate=17-Jul-2002, LatestRevisionNote="Re-released for DXP Platform.", Publisher="Altium Limited"
P2: library part "USB A-Type", "USB Connector-A Type"
p3: library part "USB MICRO", "USB Connector MICRO-B Type", Max Current=1600mA, Category=Connector, ComponentLink1Description=Datasheet, ComponentLink2Description=Reference, Designer="ABBAS BASEREH", Mounting Technology="Surface Mount\Through-Hole", Pin Count=5-7, Publisher="ABBAS BASEREH", Status=Unreleased, Update=1395-11-17
Q1 Q3 Q4: "NPN Silicon Epitaxial Planar Transistor", ComponentLink1Description="Manufacturer Link", ComponentLink1URL=http://www.taitroncomponents.com/, ComponentLink2Description=Datasheet, ComponentLink2URL=http://www.taitroncomponents.com/, DatasheetVersion=2017, LatestRevisionDate=2017, LatestRevisionNote="IPC-7351 Footprint Added.", PackageDescription="3-Pin SOT-23 Package 0.95 mm Pitch, 2.3 mm Lead Span", PackageReference=SOT23, PackageVersion=2017-2-8, Published=2017-2-8, Publisher="Abbas Basereh"
Q2_PA1 Q2_PA2 Q2_PA3 Q2_PA4 Q2_PA5 Q2_PA6 Q2_PA7: library part IRF7106
R1 R5 R16_L1 R16_L2 R16_L3 R16_L4 R16_L5 R16_L6 R16_L7 R17_L1 R17_L2 R17_L3 R17_L4 R17_L5 R17_L6 R17_L7 R37 R39: library part "RES Axial 0.25W", "RES Axial 0.25W", Data=4-1-2017, Desc.="RES Axial 0.25W", Designer="Abbas Basereh"
R2 R3 R4 R6 R7 R8 R9_PA1 R9_PA2 R9_PA3 R9_PA4 R9_PA5 R9_PA6 R9_PA7 R10_PA1 R10_PA2 R10_PA3 R10_PA4 R10_PA5 R10_PA6 R10_PA7 R11_PA1 R11_PA2 R11_PA3 R11_PA4 R11_PA5 R11_PA6 R11_PA7 R12_PA1 R12_PA2 R12_PA3 R12_PA4 R12_PA5 R12_PA6 R12_PA7 R13_PA1 R13_PA2 R13_PA3 R13_PA4 R13_PA5 R13_PA6 R13_PA7 R15 R18 R19 R20 R21 R22 R23 R24 R25 R26 R27 R28 R29 R30 R31 R32 R33 R34 R35 R36 R38 R40 R41 R42 R45 R46 R47 R48: "Resistor", LatestRevisionDate=17-Jul-2002, LatestRevisionNote="Re-released for DXP Platform.", PackageDescription="Axial Device, Thru-Hole; 2 Leads; 0.3 in Pin Spacing", PackageReference=AXIAL-0.3, Published=8-Jun-2000, Publisher="Altium Limited"
R14_PA1 R14_PA2 R14_PA3 R14_PA4 R14_PA5 R14_PA6 R14_PA7: library part Res1, "Resistor", LatestRevisionDate=17-Jul-2002, LatestRevisionNote="Re-released for DXP Platform.", PackageDescription="Axial Device, Thru-Hole; 2 Leads; 0.3 in Pin Spacing", PackageReference=AXIAL-0.3, Published=8-Jun-2000, Publisher="Altium Limited"
R43 R44: "Potentiometer", LatestRevisionDate=17-Jul-2002, LatestRevisionNote="Re-released for DXP Platform.", PackageDescription="Variable Resistor, Thru-Hole; 3 Leads", PackageReference=VR5, Published=8-Jun-2000, Publisher="Altium Limited", Set Position=0.5, Sim Note="Enter the Resistance value and the set point into parameter fields."
S1 S2 S3: "Push Button Switch"
T1: library part "Terminal 1*2", "Terminal 2 Pin 250VAC 16A", ComponentLinkURL=www.picpars.com, Designer="Seyed Mohsen Ghasemain", E-mail=picpars@gmail.com
U1: "ARM Cortex-M4 32-bit MCU+FPU, 225 DMIPS, 2048 kB Flash, 256 kB Internal RAM, 82 I/Os, 100-pin LQFP, -40 to 85 degC, Tray", I/Os (High Current)=82, Manufacturer=STMicroelectronics, Operating Frequency(F) (Processor speed) (MHz)=180, Supplier Part Number 1=497-14052-ND, Supply Voltage(Vcc) max (V)=3.6, Supply Voltage(Vcc) min (V)=1.8, ComponentLink1Description="Manufacturer URL", ComponentLink1URL=http://www.st.com/web/en/home.html, ComponentLink2Description=Datasheet, ComponentLink2URL=http://www.st.com/st-web-ui/static/active/en/resource/technical/document/data_brief/DM00053488.pdf, ComponentLink3Description="Package Specification", ComponentLink3URL=http://www.st.com/st-web-ui/static/active/en/resource/technical/document/data_brief/DM00071938.pdf, Core="ARM Cortex-M4", D/A Converter=2x12-bit, DatasheetVersion="Rev. 2", FLASH Size (Prog) (kB)=2048, Internal RAM Size (kB)=256, Mounting Technology="Surface Mount", PackageDescription="100-Pin Low Profile Quad Flat Package, 14 x 14 mm Body, 0.5 mm Pitch", PackageReference=LQFP100, PackageVersion="Rev. 1, 06/2013", Packing=Tray, PartNumber=STM32F429VIT6, Supplier 1=Digi-Key, Supplier 2=Newark, Supplier 3=Mouser, Supplier Part Number 2=06X3674, Supplier Part Number 3=511-STM32F429VIT6
U2: "Regulator"
U3: library part LF33, "Voltage Regulator 3.3 Volt"
U4: "Switched Capacitor Voltage Converter", DigiKeyPartNumber=LMC7660IM-ND, Manufacturer="National Semiconductor", PackageTopMarking=NSZXTT*LMC76*60IM, PowerWise=N, Code_IPC=SOIC127P600-8, Code_JEDEC=MS-012-AA, ComponentLink1Description="LMC7660 Datasheet", ComponentLink1URL=http://www.national.com/ds/LM/LMC7660.pdf, ComponentLink2Description="LMC7660 Web Page", ComponentLink2URL=http://www.national.com/pf/LM/LMC7660.html, ComponentLink3Description="M08A Package Page", ComponentLink3URL=http://www.national.com/packaging/folders/m08a.html, CompType="Switch Caps", DatasheetVersion=Feb-2005, PackageDescription="SOIC Narrow, 4.9 x 3.9 x 1.45mm, 8 Lead, 1.27mm Pitch", PackageReference=M08A, PackageVersion="revL, Sep-2006", PartNumber=LMC7660IM, PinCount=8, Published=4-Dec-2008, Publisher="Altium Limited", RoHS=O
U5: library part NRF24
U6: library part lm2596
U8_PA1 U8_PA2 U8_PA3 U8_PA4 U8_PA5 U8_PA6 U8_PA7: library part ICL7667
U9 U10: "8-Bit 3-State Shift Register with Output Storage Register", Code_IPC=SOIC127P600-16, Code_JEDEC=MS-012-AC, ComponentAvailability="Not for New Design", ComponentLink1Description="Manufacturer Link", ComponentLink1URL=http://www.onsemi.com/, ComponentLink2Description=Datasheet, ComponentLink2URL=http://www.onsemi.com/pub/Collateral/MC74VHC595-D.PDF, DatasheetVersion=1997, LatestRevisionDate=13-Apr-2006, LatestRevisionNote="IPC-7351 Footprint Added.", PackageDescription="16-Pin Small Outline Integrated Circuit 1.27 mm Pitch", PackageReference=751B-05, PackageVersion=Oct-1999, Published=15-Apr-2002, Publisher="Altium Limited"
U11 U12: "Low-Power Quad Operational Amplifier", Code_IPC=SOIC127P600-14, ComponentLink1Description="Manufacturer Link", ComponentLink1URL=http://www.st.com/, ComponentLink2Description=Datasheet, ComponentLink2URL=http://www.st.com/stonline/products/literature/ds/4797/lm224a.pdf, DatasheetVersion=Nov-1997, LatestRevisionDate=13-Apr-2006, LatestRevisionNote="IPC-7351 Footprint Added.", PackageDescription="14-Pin Small Outline Integrated Circuit 1.27 mm Pitch", PackageReference=SO14, PackageVersion=Sep-1998, Published=24-Aug-2001, Publisher="Altium Limited"
W1: "Jumper Wire", LatestRevisionDate=17-Jul-2002, LatestRevisionNote="Re-released for DXP Platform.", PackageDescription="Radial Cap, Thru-Hole; 2 Leads; 0.2 in Pin Spacing", PackageReference=RAD-0.2, Published=24-Mar-1999, Publisher="Altium Limited"
Y1: library part XTAL, "Crystal Oscillator", LatestRevisionDate=17-Jul-2002, LatestRevisionNote="Re-released for DXP Platform.", PackageDescription="Crystal, Thru-Hole; 2 Leads; Body 3.1 x 8.2 mm (Dia.xH)", PackageReference=R38, Published=8-Jun-2000, Publisher="Altium Limited"
J1: Adding Date=10/21/2009, Company=Personal, Designer="Saeid Jorablo", Project Name=Laser
JP1: Company=E.P.I.L, Defualt State=Close, Design Date=2011/11/02
L1 L2: Code_IEC=1005, Code_JEITA=0402, LatestRevisionDate=29-May-2009, LatestRevisionNote="IPC-7351 Footprint Added.", PackageDescription="Chip Inductor", PackageReference=0402-A, Published=8-Jun-2000, Publisher="Altium Limited"

## Via types
v1: diameter 1.3, hole 0.7, Top Layer to Bottom Layer, tented both sides, 556 vias
v2: diameter 1.27, hole 0.711, Top Layer to Bottom Layer, tented both sides, 92 vias
v3: diameter 1.27, hole 0.7, Top Layer to Bottom Layer, tented both sides, 31 vias